# KiCad board BMEK_Hotswap.kicad_pcb
title: BMEKv3; date: 2020-06-12; rev: 1; company: Bemeier
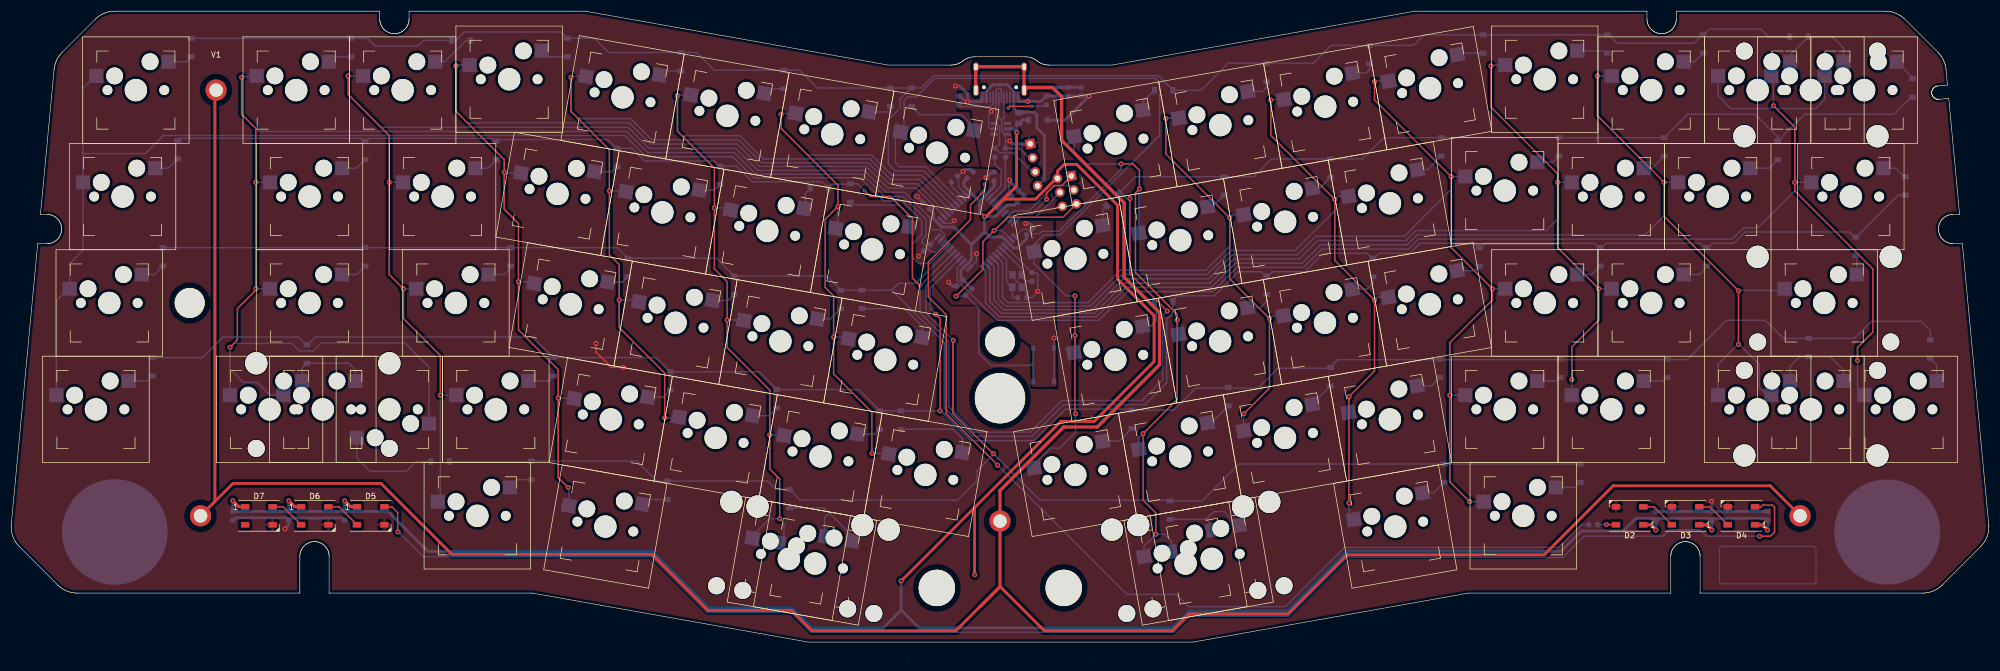
[diagram p0: board, top side]
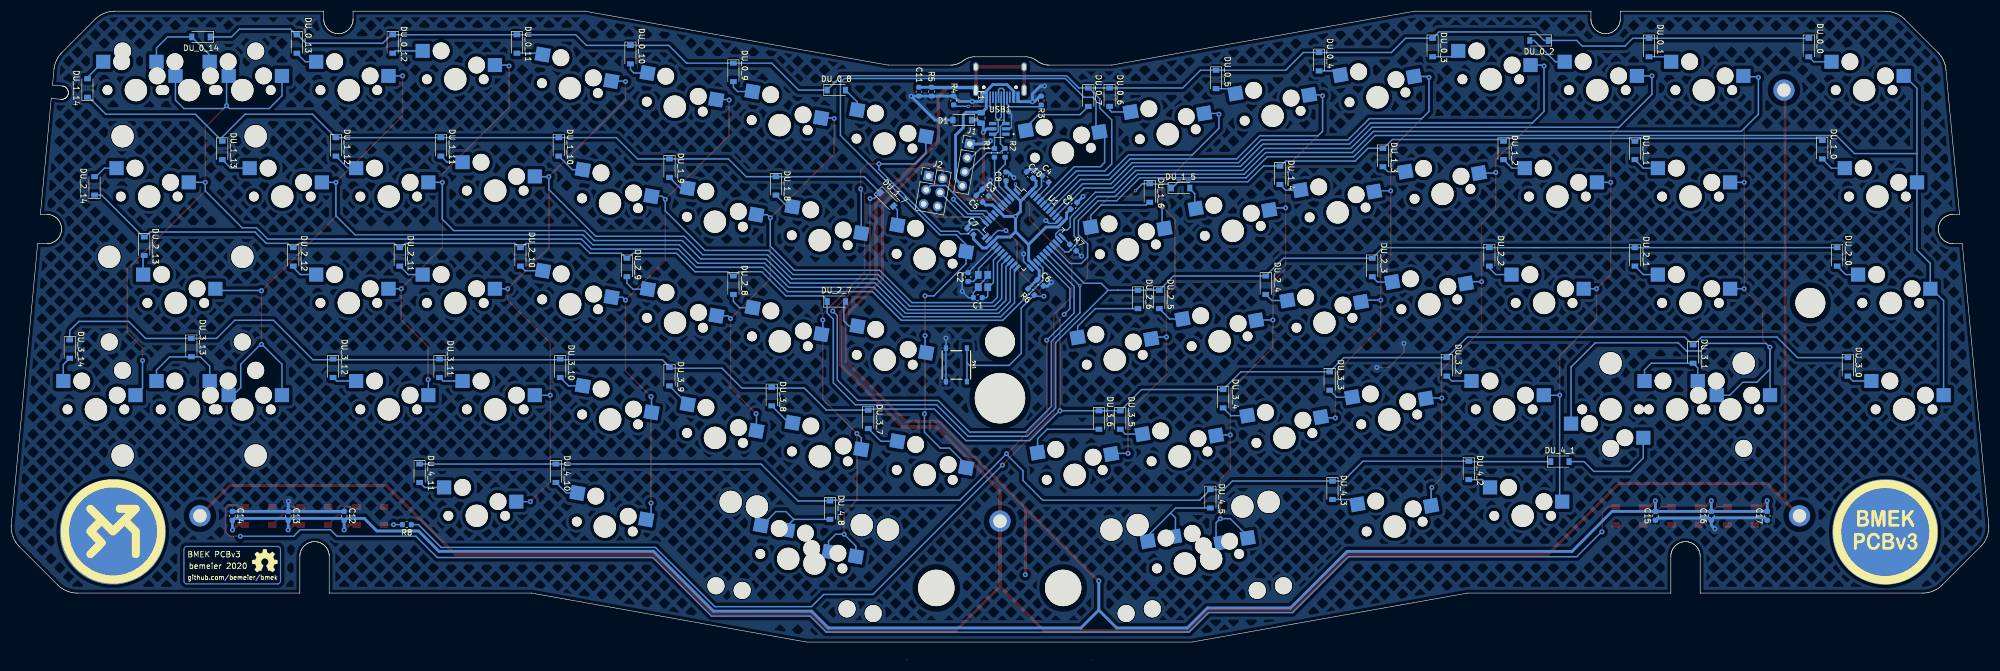
[diagram p1: board, bottom side, seen from below]

Outline 353.83 x 116.11 mm; copper layers: Front, Back. Coordinates in mm from the lower left corner of the outline.
Stack: dielectric 0.035mm FR4 er 4.5 / dielectric 1.51mm FR4 er 4.5 / dielectric 0.035mm FR4 er 4.5

## Placement (name value [footprint] x y rotation side)
C1  22pF  [C_0603_1608Metric]  180.9 64.82 180 bottom
C2  22pF  [C_0603_1608Metric]  182.63 68.53 90 bottom
C3  1uF  [C_0603_1608Metric]  179.53 83.63 225 bottom
C4  0u1F  [C_0603_1608Metric]  168.76 86.05 225 bottom
C5  0u1F  [C_0603_1608Metric]  180.61 82.55 45 bottom
C6  0u1F  [C_0603_1608Metric]  169.7 67.48 225 bottom
C7  0u1F  [C_0603_1608Metric]  182.22 76.66 45 bottom
C8  0u1F  [C_0603_1608Metric]  175.85 86.54 90 bottom
C9  0u1F  [C_0603_1608Metric]  163.72 81.28 135 bottom
C10  4u7F  [C_0603_1608Metric]  171.58 86.79 45 bottom
C11  4n7F  [C_0603_1608Metric]  191.42 101.7 90 bottom
C12  0u1F  [C_0603_1608Metric]  294.26 25.78 270 bottom
C13  0u1F  [C_0603_1608Metric]  304.26 25.78 270 bottom
C14  0u1F  [C_0603_1608Metric]  314.26 25.78 270 bottom
C15  0u1F  [C_0603_1608Metric]  59.66 25.78 90 bottom
C16  0u1F  [C_0603_1608Metric]  49.66 25.78 90 bottom
C17  0u1F  [C_0603_1608Metric]  39.66 25.78 90 bottom
D1  SMF6.0A  [D_SOD-123]  183.68 96.62 0 bottom
D2  WS2812B  [LED_WS2812B_PLCC4_5.0x5.0mm_P3.2mm]  289.57 25.78 180 top
D3  WS2812B  [LED_WS2812B_PLCC4_5.0x5.0mm_P3.2mm]  299.57 25.78 180 top
D4  WS2812B  [LED_WS2812B_PLCC4_5.0x5.0mm_P3.2mm]  309.57 25.78 180 top
D5  WS2812B  [LED_WS2812B_PLCC4_5.0x5.0mm_P3.2mm]  64.32 25.78 0 top
D6  WS2812B  [LED_WS2812B_PLCC4_5.0x5.0mm_P3.2mm]  54.32 25.78 0 top
D7  WS2812B  [LED_WS2812B_PLCC4_5.0x5.0mm_P3.2mm]  44.32 25.78 0 top
DU_0_0  1N4148W  [D_SOD-123]  32.21 109.6 270 bottom
DU_0_1  1N4148W  [D_SOD-123]  60.79 109.6 270 bottom
DU_0_2  1N4148W  [D_SOD-123]  80.47 110.87 0 bottom
DU_0_3  1N4148W  [D_SOD-123]  99.52 109.6 270 bottom
DU_0_4  1N4148W  [D_SOD-123]  119.84 107.06 270 bottom
DU_0_5  1N4148W  [D_SOD-123]  138.26 103.88 270 bottom
DU_0_6  1N4148W  [D_SOD-123]  157.31 100.71 270 bottom
DU_0_7  1N4148W  [D_SOD-123]  161.12 100.71 270 bottom
DU_0_8  1N4148W  [D_SOD-123]  206.2 101.98 180 bottom
DU_0_9  1N4148W  [D_SOD-123]  224.62 105.15 270 bottom
DU_0_10  1N4148W  [D_SOD-123]  243.03 108.33 270 bottom
DU_0_11  1N4148W  [D_SOD-123]  263.35 110.23 270 bottom
DU_0_12  1N4148W  [D_SOD-123]  285.58 110.23 270 bottom
DU_0_13  1N4148W  [D_SOD-123]  302.72 110.23 270 bottom
DU_0_14  1N4148W  [D_SOD-123]  319.87 111.5 0 bottom
DU_1_0  1N4148W  [D_SOD-123]  29.8 91.31 270 bottom
DU_1_1  1N4148W  [D_SOD-123]  63.33 91.18 270 bottom
DU_1_2  1N4148W  [D_SOD-123]  86.82 91.18 270 bottom
DU_1_3  1N4148W  [D_SOD-123]  108.41 89.91 270 bottom
DU_1_4  1N4148W  [D_SOD-123]  126.83 86.74 270 bottom
DU_1_5  1N4148W  [D_SOD-123]  144.61 84.45 180 bottom
DU_1_6  1N4148W  [D_SOD-123]  150.13 83.56 270 bottom
DU_1_7  1N4148W  [D_SOD-123]  197.13 82.42 225 bottom
DU_1_8  1N4148W  [D_SOD-123]  217 84.83 270 bottom
DU_1_9  1N4148W  [D_SOD-123]  236.05 88.01 270 bottom
DU_1_10  1N4148W  [D_SOD-123]  255.86 91.82 270 bottom
DU_1_11  1N4148W  [D_SOD-123]  276.94 91.82 270 bottom
DU_1_12  1N4148W  [D_SOD-123]  295.74 91.82 270 bottom
DU_1_13  1N4148W  [D_SOD-123]  316.06 91.18 270 bottom
DU_1_14  1N4148W  [D_SOD-123]  340.19 102.36 90 bottom
DU_2_0  1N4148W  [D_SOD-123]  27.13 72.13 270 bottom
DU_2_1  1N4148W  [D_SOD-123]  63.33 72.13 270 bottom
DU_2_2  1N4148W  [D_SOD-123]  89.36 72.13 270 bottom
DU_2_3  1N4148W  [D_SOD-123]  110.32 70.23 270 bottom
DU_2_4  1N4148W  [D_SOD-123]  129.37 67.05 270 bottom
DU_2_5  1N4148W  [D_SOD-123]  148.42 64.51 270 bottom
DU_2_6  1N4148W  [D_SOD-123]  152.23 64.51 270 bottom
DU_2_7  1N4148W  [D_SOD-123]  206.2 64.13 180 bottom
DU_2_8  1N4148W  [D_SOD-123]  224.62 67.05 270 bottom
DU_2_9  1N4148W  [D_SOD-123]  243.67 70.23 270 bottom
DU_2_10  1N4148W  [D_SOD-123]  262.72 72.13 270 bottom
DU_2_11  1N4148W  [D_SOD-123]  284.31 72.13 270 bottom
DU_2_12  1N4148W  [D_SOD-123]  303.36 72.13 270 bottom
DU_2_13  1N4148W  [D_SOD-123]  330.03 74.04 270 bottom
DU_2_14  1N4148W  [D_SOD-123]  338.92 84.83 90 bottom
DU_3_0  1N4148W  [D_SOD-123]  25.23 52.45 270 bottom
DU_3_1  1N4148W  [D_SOD-123]  52.91 54.73 270 bottom
DU_3_2  1N4148W  [D_SOD-123]  96.98 52.45 270 bottom
DU_3_3  1N4148W  [D_SOD-123]  117.94 49.91 270 bottom
DU_3_4  1N4148W  [D_SOD-123]  136.99 46.73 270 bottom
DU_3_5  1N4148W  [D_SOD-123]  155.4 42.92 270 bottom
DU_3_6  1N4148W  [D_SOD-123]  159.21 42.92 270 bottom
DU_3_7  1N4148W  [D_SOD-123]  200.49 43.05 270 bottom
DU_3_8  1N4148W  [D_SOD-123]  217.76 47.11 270 bottom
DU_3_9  1N4148W  [D_SOD-123]  236.05 50.67 270 bottom
DU_3_10  1N4148W  [D_SOD-123]  255.6 52.19 270 bottom
DU_3_11  1N4148W  [D_SOD-123]  277.19 52.19 270 bottom
DU_3_12  1N4148W  [D_SOD-123]  296.24 52.19 270 bottom
DU_3_13  1N4148W  [D_SOD-123]  321.59 55.9 270 bottom
DU_3_14  1N4148W  [D_SOD-123]  343.36 55.62 270 bottom
DU_4_1  1N4148W  [D_SOD-123]  76.74 35.48 180 bottom
DU_4_2  1N4148W  [D_SOD-123]  93.04 33.91 270 bottom
DU_4_3  1N4148W  [D_SOD-123]  117.43 30.35 270 bottom
DU_4_5  1N4148W  [D_SOD-123]  139.27 28.83 270 bottom
DU_4_8  1N4148W  [D_SOD-123]  207.34 26.79 270 bottom
DU_4_10  1N4148W  [D_SOD-123]  256.37 33.4 270 bottom
DU_4_11  1N4148W  [D_SOD-123]  280.75 33.4 270 bottom
F1  TLC-PSMD050  [Fuse_0805_2012Metric]  180.3 97 90 bottom
J1  Conn_01x04  [PinHeader_1x04_P2.54mm_Vertical]  182.33 92.35 190 bottom
J2  AVR-ISP-6  [PinHeader_2x03_P2.54mm_Vertical]  189.69 86.61 190 bottom
MX_0_0  MX-NoLED  [MX-1U-Hotswap]  22.31 101.98 0 top
MX_0_1  MX-NoLED  [MX-1U-Hotswap]  50.99 101.98 0 top
MX_0_2  MX-NoLED  [MX-1U-Hotswap]  70.04 101.98 0 top
MX_0_3  MX-NoLED  [MX-1U-Hotswap]  89.09 103.92 0 top
MX_0_4  MX-NoLED  [MX-1U-Hotswap]  109.38 100.69 350 top
MX_0_5  MX-NoLED  [MX-1U-Hotswap]  128.14 97.38 350 top
MX_0_6  MX-NoLED  [MX-1U-Hotswap]  146.9 94.07 350 top
MX_0_7  MX-NoLED  [MX-1U-Hotswap]  165.66 90.77 350 top
MX_0_8  MX-NoLED  [MX-1U-Hotswap]  197.58 92.41 10 top
MX_0_9  MX-NoLED  [MX-1U-Hotswap]  216.34 95.71 10 top
MX_0_10  MX-NoLED  [MX-1U-Hotswap]  235.1 99.02 10 top
MX_0_11  MX-NoLED  [MX-1U-Hotswap]  253.86 102.33 10 top
MX_0_12  MX-NoLED  [MX-1U-Hotswap]  274.37 103.92 0 top
MX_0_13  MX-NoLED  [MX-1U-Hotswap]  293.42 101.98 0 top
MX_0_14  MX-NoLED  [MX-1U-Hotswap]  312.47 101.98 0 top
MX_0_14b1  MX-NoLED  [MX-1U-Hotswap]  321.99 101.98 0 top
MX_1_0  MX-NoLED  [MX-1U-Hotswap]  19.93 82.93 0 top
MX_1_1  MX-NoLED  [MX-1U-Hotswap]  53.38 82.93 0 top
MX_1_2  MX-NoLED  [MX-1U-Hotswap]  77.19 82.93 0 top
MX_1_3  MX-NoLED  [MX-1U-Hotswap]  97.75 83.4 350 top
MX_1_4  MX-NoLED  [MX-1U-Hotswap]  116.51 80.09 350 top
MX_1_5  MX-NoLED  [MX-1U-Hotswap]  135.27 76.78 350 top
MX_1_6  MX-NoLED  [MX-1U-Hotswap]  154.03 73.47 350 top
MX_1_7  MX-NoLED  [MX-1U-Hotswap]  190.41 71.8 10 top
MX_1_8  MX-NoLED  [MX-1U-Hotswap]  209.17 75.11 10 top
MX_1_9  MX-NoLED  [MX-1U-Hotswap]  227.93 78.41 10 top
MX_1_10  MX-NoLED  [MX-1U-Hotswap]  246.69 81.72 10 top
MX_1_11  MX-NoLED  [MX-1U-Hotswap]  267.23 83.99 0 top
MX_1_12  MX-NoLED  [MX-1U-Hotswap]  286.28 82.93 0 top
MX_1_13  MX-NoLED  [MX-1U-Hotswap]  305.33 82.93 0 top
MX_1_14  MX-NoLED  [MX-1U-Hotswap]  331.52 101.98 0 top
MX_2_0  MX-NoLED  [MX-1U-Hotswap]  17.55 63.88 0 top
MX_2_1  MX-NoLED  [MX-1U-Hotswap]  53.38 63.88 0 top
MX_2_2  MX-NoLED  [MX-1U-Hotswap]  79.57 63.88 0 top
MX_2_3  MX-NoLED  [MX-1U-Hotswap]  100.1 63.64 350 top
MX_2_4  MX-NoLED  [MX-1U-Hotswap]  118.86 60.33 350 top
MX_2_5  MX-NoLED  [MX-1U-Hotswap]  137.62 57.02 350 top
MX_2_6  MX-NoLED  [MX-1U-Hotswap]  156.39 53.71 350 top
MX_2_7  MX-NoLED  [MX-1U-Hotswap]  197.54 53.71 10 top
MX_2_8  MX-NoLED  [MX-1U-Hotswap]  216.3 57.02 10 top
MX_2_9  MX-NoLED  [MX-1U-Hotswap]  235.06 60.33 10 top
MX_2_10  MX-NoLED  [MX-1U-Hotswap]  253.82 63.63 10 top
MX_2_11  MX-NoLED  [MX-1U-Hotswap]  274.37 63.88 0 top
MX_2_12  MX-NoLED  [MX-1U-Hotswap]  293.42 63.88 0 top
MX_2_13  MX-NoLED  [MX-1U-Hotswap]  324.38 63.88 0 top
MX_2_14  MX-NoLED  [MX-1U-Hotswap]  329.14 82.93 0 top
MX_3_0  MX-NoLED  [MX-1U-Hotswap]  15.17 44.83 0 top
MX_3_1  MX-NoLED  [MX-1U-Hotswap]  55.76 44.83 0 top
MX_3_1b1  MX-NoLED  [MX-1U-Hotswap]  46.23 44.83 0 top
MX_3_2  MX-NoLED  [MX-1U-Hotswap]  86.71 44.83 0 top
MX_3_3  MX-NoLED  [MX-1U-Hotswap]  107.27 43.03 350 top
MX_3_4  MX-NoLED  [MX-1U-Hotswap]  126.03 39.72 350 top
MX_3_5  MX-NoLED  [MX-1U-Hotswap]  144.79 36.41 350 top
MX_3_6  MX-NoLED  [MX-1U-Hotswap]  163.55 33.11 350 top
MX_3_7  MX-NoLED  [MX-1U-Hotswap]  190.39 33.11 10 top
MX_3_8  MX-NoLED  [MX-1U-Hotswap]  209.15 36.41 10 top
MX_3_9  MX-NoLED  [MX-1U-Hotswap]  227.91 39.72 10 top
MX_3_10  MX-NoLED  [MX-1U-Hotswap]  246.67 43.03 10 top
MX_3_11  MX-NoLED  [MX-1U-Hotswap]  267.23 44.83 0 top
MX_3_12  MX-NoLED  [MX-1U-Hotswap]  286.28 44.83 0 top
MX_3_13  MX-NoLED  [MX-1U-Hotswap]  312.47 44.83 0 top
MX_3_13b1  MX-NoLED  [MX-1U-Hotswap]  321.99 44.83 0 top
MX_3_14  MX-NoLED  [MX-1U-Hotswap]  338.66 44.83 0 top
MX_4_1  MX-NoLED  [MX-1U-Hotswap]  67.66 44.83 180 top
MX_4_2  MX-NoLED  [MX-1U-Hotswap]  83.4 25.78 0 top
MX_4_3  MX-NoLED  [MX-1U-Hotswap]  106.31 23.86 350 top
MX_4_5  MX-NoLED  [MX-1U-Hotswap]  139.14 18.07 350 top
MX_4_5b1  MX-NoLED  [MX-1U-Hotswap]  143.83 17.24 350 top
MX_4_8  MX-NoLED  [MX-1U-Hotswap]  214.8 18.07 10 top
MX_4_8b1  MX-NoLED  [MX-1U-Hotswap]  210.11 17.24 10 top
MX_4_10  MX-NoLED  [MX-1U-Hotswap]  247.63 23.86 10 top
MX_4_11  MX-NoLED  [MX-1U-Hotswap]  270.53 25.78 0 top
R1  22Ω  [R_0603_1608Metric]  177.91 90.75 90 bottom
R2  22Ω  [R_0603_1608Metric]  176 90.75 90 bottom
R3  5k1Ω  [R_0603_1608Metric]  169.55 100.11 90 bottom
R4  5k1Ω  [R_0603_1608Metric]  185.2 100.12 90 bottom
R5  1MΩ  [R_0603_1608Metric]  189.16 101.7 90 bottom
R6  10kΩ  [R_0603_1608Metric]  171.34 65.85 225 bottom
R7  10kΩ  [R_0603_1608Metric]  163.85 73.78 225 bottom
R8  470Ω  [R_0603_1608Metric]  283.04 24.2 0 bottom
ST_0_14b1  MX-Stabiliser  [MX-Stabiliser-2.25U]  321.99 101.98 0 top
ST_2_14  MX-Stabiliser  [MX-Stabiliser-2.25U]  324.38 63.88 180 top
ST_3_1  MX-Stabiliser  [MX-Stabiliser-2.25U]  55.76 44.83 180 top
ST_3_13  MX-Stabiliser  [MX-Stabiliser-2.25U]  321.99 44.83 0 top
ST_4_5  MX-Stabiliser  [MX-Stabiliser-2.25U]  139.14 18.07 170 top
ST_4_5b1  MX-Stabiliser  [MX-Stabiliser-2.25U]  143.83 17.24 170 top
ST_4_8b1  MX-Stabiliser  [MX-Stabiliser-2.25U]  210.11 17.24 190 top
ST_8_5  MX-Stabiliser  [MX-Stabiliser-2.25U]  214.8 18.07 190 top
SW1  -  [TS-1187A-B-A-B]  184.71 52.78 90 bottom
U1  ATmega32U4-AU  [TQFP-44_10x10mm_P0.8mm]  172.66 76.98 225 bottom
U2  USBLC6-2SC6  [SOT95P280X145-6N]  177.04 95.04 0 bottom
USB1  HRO-TYPE-C-31-M-12  [HRO-TYPE-C-31-M-12-HandSoldering]  176.93 108.73 0 bottom
V1  PCBProfile  [PCBProfile_NO_Switches]  36.66 101.98 0 top
Y1  Crystal_GND24_Small  [SMD3225]  179.96 67.82 90 bottom

## Footprints (pads in the part's own frame, mm; a bottom-side part is the same pattern mirrored in y, then rotated)
C_0603_1608Metric
  rrect 0.875x0.95 smd: 1(-0.788,0) 2(0.788,0)
D_SOD-123
  rect 0.9x1.2 smd: 1(-1.65,0) 2(1.65,0)
Fuse_0805_2012Metric
  rrect 0.975x1.4 smd: 1(-0.938,0) 2(0.938,0)
HRO-TYPE-C-31-M-12-HandSoldering
  round 0.65 hole 0.65 unplated: (-2.89,6.25) (2.89,6.25)
  rect 0.6x2.05 smd: 1(-3.225,8.025) 2(-2.45,8.025) 11(2.45,8.025) 12(3.225,8.025)
  rect 0.3x2.05 smd: 3(-1.75,8.025) 4(-1.25,8.025) 5(-0.75,8.025) 6(-0.25,8.025) 7(0.25,8.025) 8(0.75,8.025) 9(1.25,8.025) 10(1.75,8.025)
  oval 1x1.6 hole 0.6x1.2: 13(-4.32,2.6) 13(4.32,2.6)
  oval 1x2.1 hole 0.6x1.7: 13(-4.32,6.78) 13(4.32,6.78)
LED_WS2812B_PLCC4_5.0x5.0mm_P3.2mm
  rect 1.5x1 smd: 1(-2.45,1.6) 2(-2.45,-1.6) 3(2.45,-1.6) 4(2.45,1.6)
MX-1U-Hotswap
  round 1.75 hole 1.75 unplated: (-5.08,0) (5.08,0)
  round 3 hole 3 unplated: (-3.81,2.54) (2.54,5.08)
  round 3.988 hole 3.988 unplated: (0,0)
  rect 2.55x2.5 smd far side: 1(-7.085,2.54) 2(5.842,5.08)
MX-Stabiliser-2.25U
  round 3.048 hole 3.048 unplated: (-11.906,6.985) (11.906,6.985)
  round 3.988 hole 3.988 unplated: (-11.906,-8.255) (11.906,-8.255)
PCBProfile_NO_Switches
  round 5.35 hole 5.35 unplated: (-4.72,-38.1) (140.26,-45.02)
  round 6.5 hole 6.5 unplated: (128.96,-89.11) (151.66,-89.11)
  round 9 hole 9 unplated: (140.26,-55.15)
  round 3.8 hole 2.4: 1(-2.78,-76.2) 1(0,0) 1(140.26,-77.15) 1(283.4,-76.2)
PinHeader_1x04_P2.54mm_Vertical
  rect 1.7x1.7 hole 1: 1(0,0)
  oval 1.7x1.7 hole 1: 2(0,-2.54) 3(0,-5.08) 4(0,-7.62)
PinHeader_2x03_P2.54mm_Vertical
  rect 1.7x1.7 hole 1: 1(0,0)
  oval 1.7x1.7 hole 1: 2(2.54,0) 3(0,-2.54) 4(2.54,-2.54) 5(0,-5.08) 6(2.54,-5.08)
R_0603_1608Metric
  rrect 0.875x0.95 smd: 1(-0.788,0) 2(0.788,0)
SMD3225
  rect 1.4x1.2 smd: 1(-1.1,-0.85) 2(1.1,-0.85) 3(1.1,0.85) 4(-1.1,0.85)
SOT95P280X145-6N
  rect 1.36x0.6 smd: 1(-1.175,0.95) 2(-1.175,0) 3(-1.175,-0.95) 4(1.175,-0.95) 5(1.175,0) 6(1.175,0.95)
TQFP-44_10x10mm_P0.8mm
  rect 1.5x0.55 smd: 1(-5.7,4) 2(-5.7,3.2) 3(-5.7,2.4) 4(-5.7,1.6) 5(-5.7,0.8) 6(-5.7,0) 7(-5.7,-0.8) 8(-5.7,-1.6) 9(-5.7,-2.4) 10(-5.7,-3.2) 11(-5.7,-4) 23(5.7,-4) 24(5.7,-3.2) 25(5.7,-2.4) 26(5.7,-1.6) 27(5.7,-0.8) 28(5.7,0) 29(5.7,0.8) 30(5.7,1.6) 31(5.7,2.4) 32(5.7,3.2) 33(5.7,4)
  rect 0.55x1.5 smd: 12(-4,-5.7) 13(-3.2,-5.7) 14(-2.4,-5.7) 15(-1.6,-5.7) 16(-0.8,-5.7) 17(0,-5.7) 18(0.8,-5.7) 19(1.6,-5.7) 20(2.4,-5.7) 21(3.2,-5.7) 22(4,-5.7) 34(4,5.7) 35(3.2,5.7) 36(2.4,5.7) 37(1.6,5.7) 38(0.8,5.7) 39(0,5.7) 40(-0.8,5.7) 41(-1.6,5.7) 42(-2.4,5.7) 43(-3.2,5.7) 44(-4,5.7)
TS-1187A-B-A-B
  rect 1x0.75 smd: 1(-3,1.875) 1(3,1.875) 2(-3,-1.875) 2(3,-1.875)

## Nets
GND: C1.1 C2.2 C3.1 C4.1 C5.2 C6.2 C7.2 C8.2 C9.2 C10.2 C11.1 C12.1 C13.1 C14.1 C15.1 C16.1 C17.1 D1.2 D2.3 D3.3 D4.3 D5.3 D6.3 D7.3 J1.1 J2.6 R3.2 R4.2 R5.1 R7.2 SW1.1 U1.5 U1.15 U1.23 U1.35 U1.43 U2.2 USB1.1 USB1.12 Y1.2 Y1.4
VBUS: F1.2 J1.4 USB1.2 USB1.11
VCC: C5.1 C6.1 C7.1 C8.1 C9.1 C10.1 C12.2 C13.2 C14.2 C15.2 C16.2 C17.2 D1.1 D2.1 D3.1 D4.1 D5.1 D6.1 D7.1 F1.1 J2.2 R6.1 U1.2 U1.7 U1.14 U1.24 U1.34 U1.44 U2.5
COL0: MX_0_0.1 MX_1_0.1 MX_2_0.1 MX_3_0.1 U1.30
COL1: MX_0_1.1 MX_1_1.1 MX_2_1.1 MX_3_1.1 MX_3_1b1.1 MX_4_1.1 U1.31
COL2: MX_0_2.1 MX_1_2.1 MX_2_2.1 MX_3_2.1 MX_4_2.1 U1.32
COL3: MX_0_3.1 MX_1_3.1 MX_2_3.1 MX_3_3.1 MX_4_3.1 U1.36
COL4: MX_0_4.1 MX_1_4.1 MX_2_4.1 MX_3_4.1 U1.37
COL5: MX_0_5.1 MX_1_5.1 MX_2_5.1 MX_3_5.1 MX_4_5.1 MX_4_5b1.1 U1.38
COL6: MX_0_6.1 MX_1_6.1 MX_2_6.1 MX_3_6.1 U1.39
COL7: MX_0_7.1 MX_1_7.1 MX_2_7.1 MX_3_7.1 U1.41
COL8: MX_0_8.1 MX_1_8.1 MX_2_8.1 MX_3_8.1 MX_4_8.1 MX_4_8b1.1 U1.12
COL9: MX_0_9.1 MX_1_9.1 MX_2_9.1 MX_3_9.1 U1.18
COL10: MX_0_10.1 MX_1_10.1 MX_2_10.1 MX_3_10.1 MX_4_10.1 U1.19
COL11: MX_0_11.1 MX_1_11.1 MX_2_11.1 MX_3_11.1 MX_4_11.1 U1.20
COL12: MX_0_12.1 MX_1_12.1 MX_2_12.1 MX_3_12.1 U1.21
COL13: MX_0_13.1 MX_1_13.1 MX_2_13.1 MX_3_13.1 MX_3_13b1.1 U1.22
COL14: MX_0_14.1 MX_0_14b1.1 MX_1_14.1 MX_2_14.1 MX_3_14.1 U1.25
D+: J1.2 R1.2 U2.6 USB1.6 USB1.8
D-: J1.3 R2.2 U2.3 USB1.5 USB1.7
Earth: C11.2 R5.2 USB1.13 V1.1
MISO: J2.4 U1.11
MOSI: J2.1 U1.10
RESET: J2.5 R6.2 SW1.2 U1.13
ROW0: DU_0_0.1 DU_0_1.1 DU_0_2.1 DU_0_3.1 DU_0_4.1 DU_0_5.1 DU_0_6.1 DU_0_7.1 DU_0_8.1 DU_0_9.1 DU_0_10.1 DU_0_11.1 DU_0_12.1 DU_0_13.1 DU_0_14.1 U1.40
ROW1: DU_1_0.1 DU_1_1.1 DU_1_2.1 DU_1_3.1 DU_1_4.1 DU_1_5.1 DU_1_6.1 DU_1_7.1 DU_1_8.1 DU_1_9.1 DU_1_10.1 DU_1_11.1 DU_1_12.1 DU_1_13.1 DU_1_14.1 U1.28
ROW2: DU_2_0.1 DU_2_1.1 DU_2_2.1 DU_2_3.1 DU_2_4.1 DU_2_5.1 DU_2_6.1 DU_2_7.1 DU_2_8.1 DU_2_9.1 DU_2_10.1 DU_2_11.1 DU_2_12.1 DU_2_13.1 DU_2_14.1 U1.29
ROW3: DU_3_0.1 DU_3_1.1 DU_3_2.1 DU_3_3.1 DU_3_4.1 DU_3_5.1 DU_3_6.1 DU_3_7.1 DU_3_8.1 DU_3_9.1 DU_3_10.1 DU_3_11.1 DU_3_12.1 DU_3_13.1 DU_3_14.1 U1.26
ROW4: DU_4_1.1 DU_4_2.1 DU_4_3.1 DU_4_5.1 DU_4_8.1 DU_4_10.1 DU_4_11.1 U1.27
SCK: J2.3 U1.9
WSDATA: R8.1 U1.1
XTAL1: C1.2 U1.17 Y1.1
XTAL2: C2.1 U1.16 Y1.3
Net-(C3-Pad2): C3.2 U1.6
Net-(C4-Pad2): C4.2 U1.42
Net-(D2-Pad2): D2.2 D3.4
Net-(D2-Pad4): D2.4 R8.2
Net-(D3-Pad2): D3.2 D4.4
Net-(D4-Pad2): D4.2 D5.4
Net-(D5-Pad2): D5.2 D6.4
Net-(D6-Pad2): D6.2 D7.4
Net-(D7-Pad2): D7.2
Net-(DU_0_0-Pad2): DU_0_0.2 MX_0_0.2
Net-(DU_0_1-Pad2): DU_0_1.2 MX_0_1.2
Net-(DU_0_2-Pad2): DU_0_2.2 MX_0_2.2
Net-(DU_0_3-Pad2): DU_0_3.2 MX_0_3.2
Net-(DU_0_4-Pad2): DU_0_4.2 MX_0_4.2
Net-(DU_0_5-Pad2): DU_0_5.2 MX_0_5.2
Net-(DU_0_6-Pad2): DU_0_6.2 MX_0_6.2
Net-(DU_0_7-Pad2): DU_0_7.2 MX_0_7.2
Net-(DU_0_8-Pad2): DU_0_8.2 MX_0_8.2
Net-(DU_0_9-Pad2): DU_0_9.2 MX_0_9.2
Net-(DU_0_10-Pad2): DU_0_10.2 MX_0_10.2
Net-(DU_0_11-Pad2): DU_0_11.2 MX_0_11.2
Net-(DU_0_12-Pad2): DU_0_12.2 MX_0_12.2
Net-(DU_0_13-Pad2): DU_0_13.2 MX_0_13.2
Net-(DU_0_14-Pad2): DU_0_14.2 MX_0_14.2 MX_0_14b1.2
Net-(DU_1_0-Pad2): DU_1_0.2 MX_1_0.2
Net-(DU_1_1-Pad2): DU_1_1.2 MX_1_1.2
Net-(DU_1_2-Pad2): DU_1_2.2 MX_1_2.2
Net-(DU_1_3-Pad2): DU_1_3.2 MX_1_3.2
Net-(DU_1_4-Pad2): DU_1_4.2 MX_1_4.2
Net-(DU_1_5-Pad2): DU_1_5.2 MX_1_5.2
Net-(DU_1_6-Pad2): DU_1_6.2 MX_1_6.2
Net-(DU_1_7-Pad2): DU_1_7.2 MX_1_7.2
Net-(DU_1_8-Pad2): DU_1_8.2 MX_1_8.2
Net-(DU_1_9-Pad2): DU_1_9.2 MX_1_9.2
Net-(DU_1_10-Pad2): DU_1_10.2 MX_1_10.2
Net-(DU_1_11-Pad2): DU_1_11.2 MX_1_11.2
Net-(DU_1_12-Pad2): DU_1_12.2 MX_1_12.2
Net-(DU_1_13-Pad2): DU_1_13.2 MX_1_13.2
Net-(DU_1_14-Pad2): DU_1_14.2 MX_1_14.2
Net-(DU_2_0-Pad2): DU_2_0.2 MX_2_0.2
Net-(DU_2_1-Pad2): DU_2_1.2 MX_2_1.2
Net-(DU_2_2-Pad2): DU_2_2.2 MX_2_2.2
Net-(DU_2_3-Pad2): DU_2_3.2 MX_2_3.2
Net-(DU_2_4-Pad2): DU_2_4.2 MX_2_4.2
Net-(DU_2_5-Pad2): DU_2_5.2 MX_2_5.2
Net-(DU_2_6-Pad2): DU_2_6.2 MX_2_6.2
Net-(DU_2_7-Pad2): DU_2_7.2 MX_2_7.2
Net-(DU_2_8-Pad2): DU_2_8.2 MX_2_8.2
Net-(DU_2_9-Pad2): DU_2_9.2 MX_2_9.2
Net-(DU_2_10-Pad2): DU_2_10.2 MX_2_10.2
Net-(DU_2_11-Pad2): DU_2_11.2 MX_2_11.2
Net-(DU_2_12-Pad2): DU_2_12.2 MX_2_12.2
Net-(DU_2_13-Pad2): DU_2_13.2 MX_2_13.2
Net-(DU_2_14-Pad2): DU_2_14.2 MX_2_14.2
Net-(DU_3_0-Pad2): DU_3_0.2 MX_3_0.2
Net-(DU_3_1-Pad2): DU_3_1.2 MX_3_1.2 MX_3_1b1.2
Net-(DU_3_2-Pad2): DU_3_2.2 MX_3_2.2
Net-(DU_3_3-Pad2): DU_3_3.2 MX_3_3.2
Net-(DU_3_4-Pad2): DU_3_4.2 MX_3_4.2
Net-(DU_3_5-Pad2): DU_3_5.2 MX_3_5.2
Net-(DU_3_6-Pad2): DU_3_6.2 MX_3_6.2
Net-(DU_3_7-Pad2): DU_3_7.2 MX_3_7.2
Net-(DU_3_8-Pad2): DU_3_8.2 MX_3_8.2
Net-(DU_3_9-Pad2): DU_3_9.2 MX_3_9.2
Net-(DU_3_10-Pad2): DU_3_10.2 MX_3_10.2
Net-(DU_3_11-Pad2): DU_3_11.2 MX_3_11.2
Net-(DU_3_12-Pad2): DU_3_12.2 MX_3_12.2
Net-(DU_3_13-Pad2): DU_3_13.2 MX_3_13.2 MX_3_13b1.2
Net-(DU_3_14-Pad2): DU_3_14.2 MX_3_14.2
Net-(DU_4_1-Pad2): DU_4_1.2 MX_4_1.2
Net-(DU_4_2-Pad2): DU_4_2.2 MX_4_2.2
Net-(DU_4_3-Pad2): DU_4_3.2 MX_4_3.2
Net-(DU_4_5-Pad2): DU_4_5.2 MX_4_5.2 MX_4_5b1.2
Net-(DU_4_8-Pad2): DU_4_8.2 MX_4_8.2 MX_4_8b1.2
Net-(DU_4_10-Pad2): DU_4_10.2 MX_4_10.2
Net-(DU_4_11-Pad2): DU_4_11.2 MX_4_11.2
Net-(R1-Pad1): R1.1 U1.4
Net-(R2-Pad1): R2.1 U1.3
Net-(R3-Pad1): R3.1 USB1.4
Net-(R4-Pad1): R4.1 USB1.10
Net-(R7-Pad1): R7.1 U1.33
Net-(U1-Pad8): U1.8
Net-(U2-Pad1): U2.1
Net-(U2-Pad4): U2.4
Net-(USB1-Pad3): USB1.3
Net-(USB1-Pad9): USB1.9

## Via types
v1: diameter 0.9, hole 0.4, Front to Back, 103 vias
v2: diameter 0.6, hole 0.3, Front to Back, 5 vias
